# Altium PCB 一体机V1.PcbDoc (part 1 of 5)
Units mil, origin at the board's own origin, x right, y up, seen from the top; angles counter-clockwise.
Board outline 4013.53 x 6321.59 mil, 6 copper layers (Top Layer, GND, VCC, Mid-Layer 1, GND (Plane2), Bottom Layer); 349 components, 402 nets, 1592 pads, 708 vias.
Unrouted connection lines stored in the file: 4.
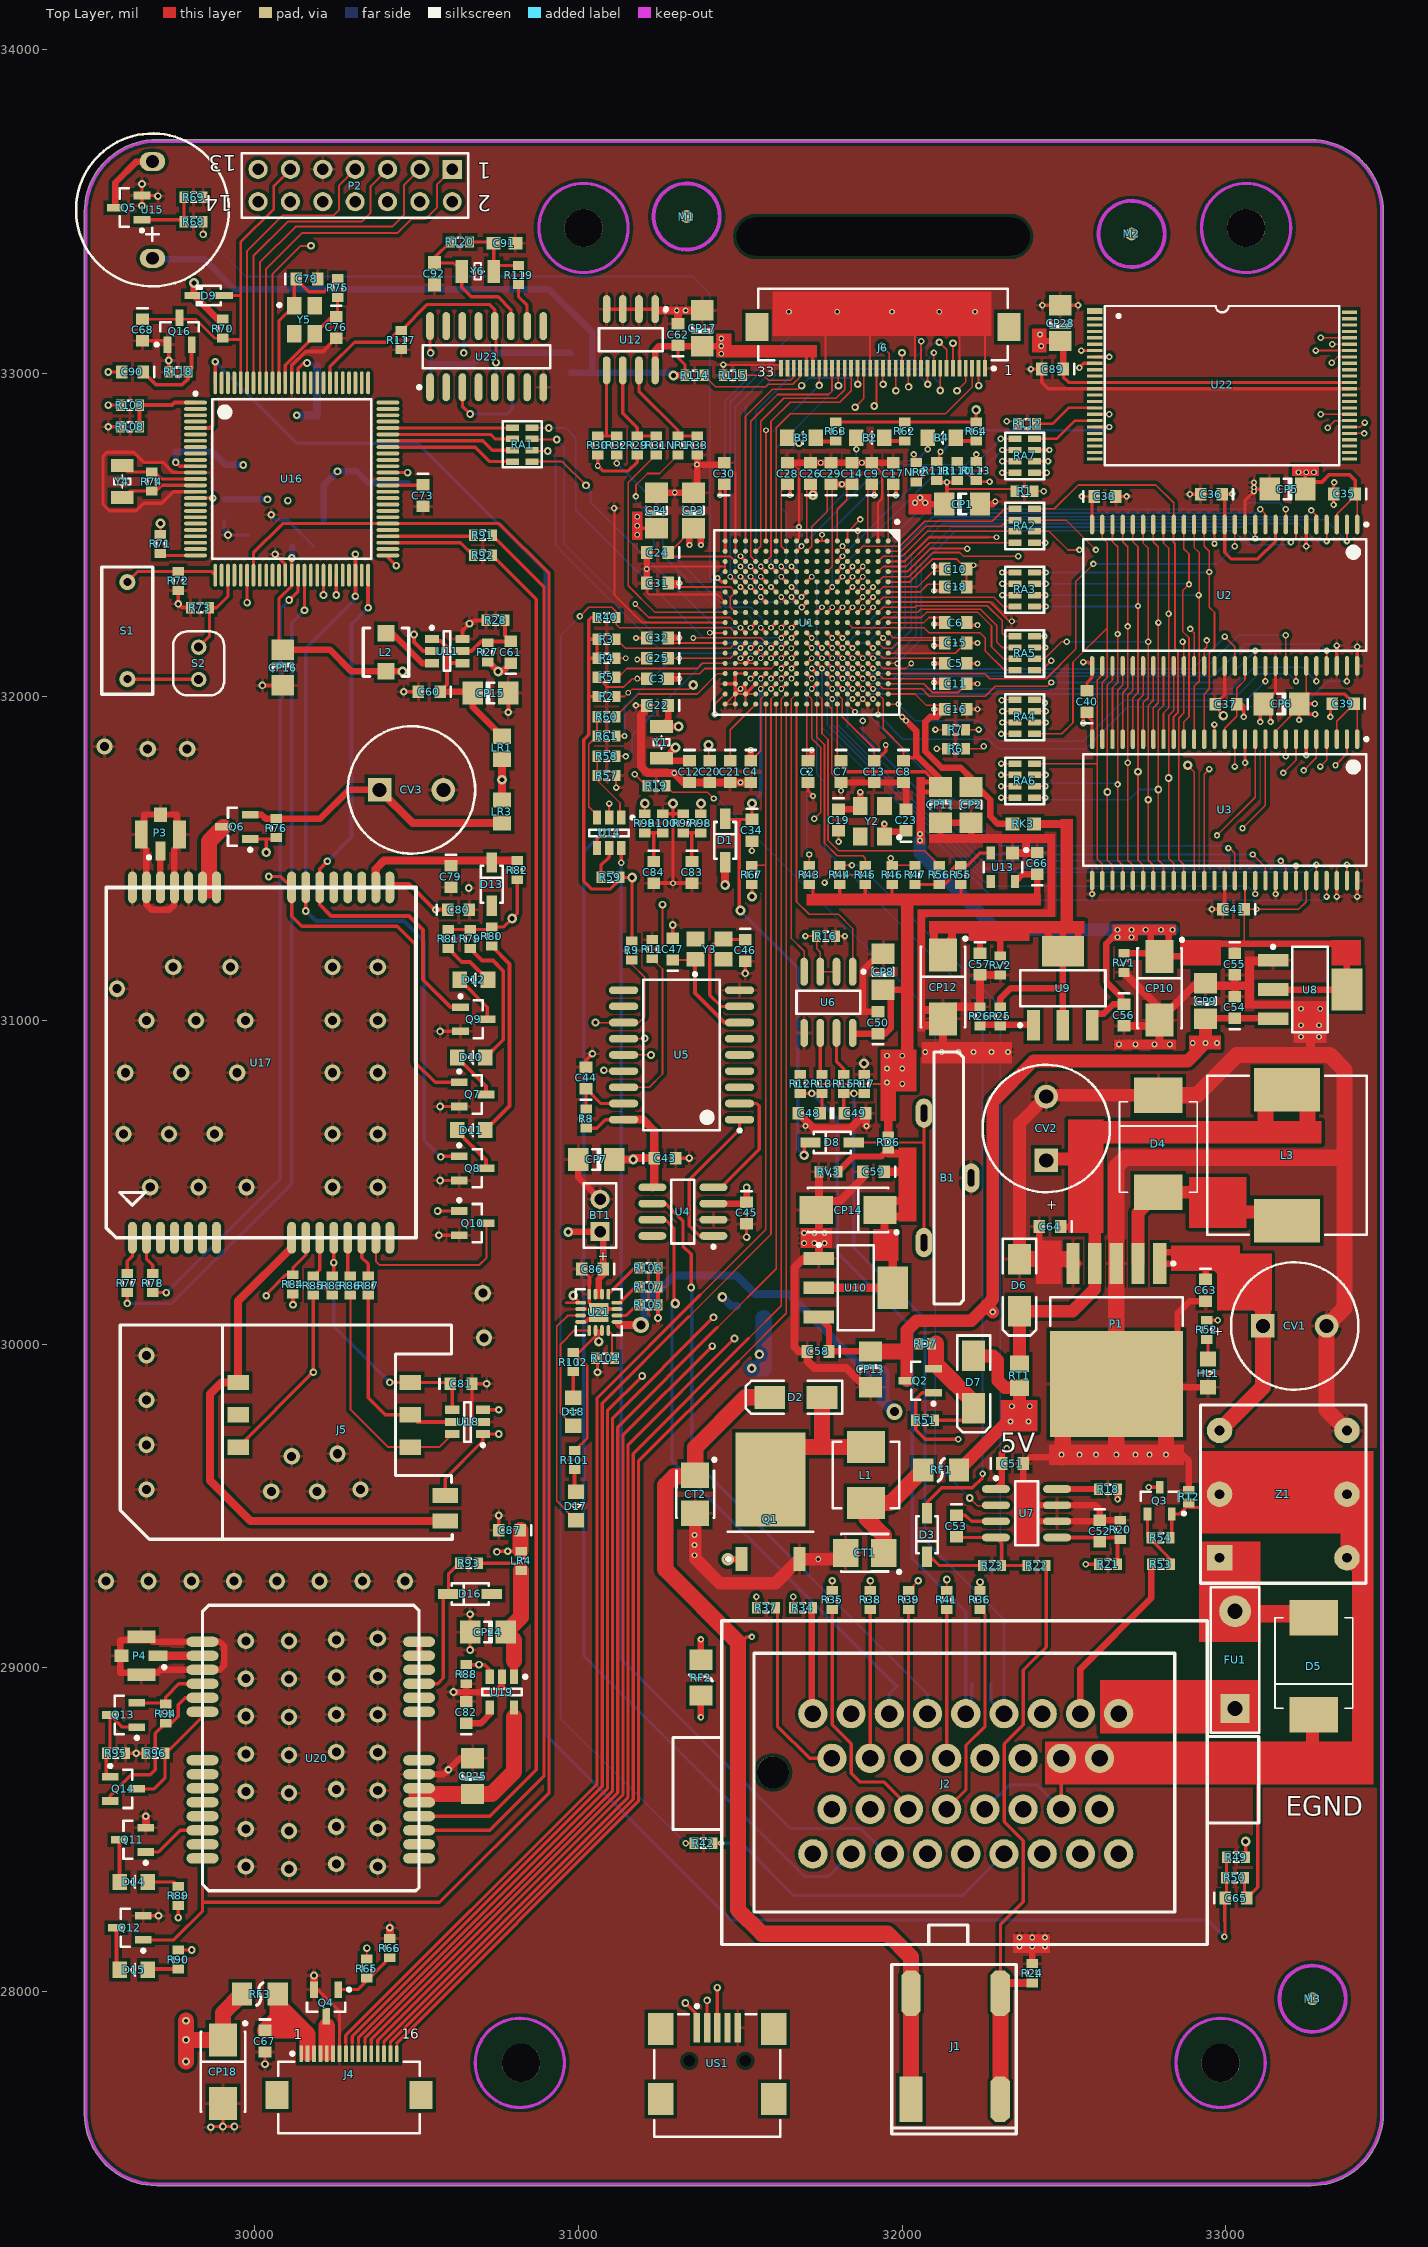
[diagram p0: Top Layer view]
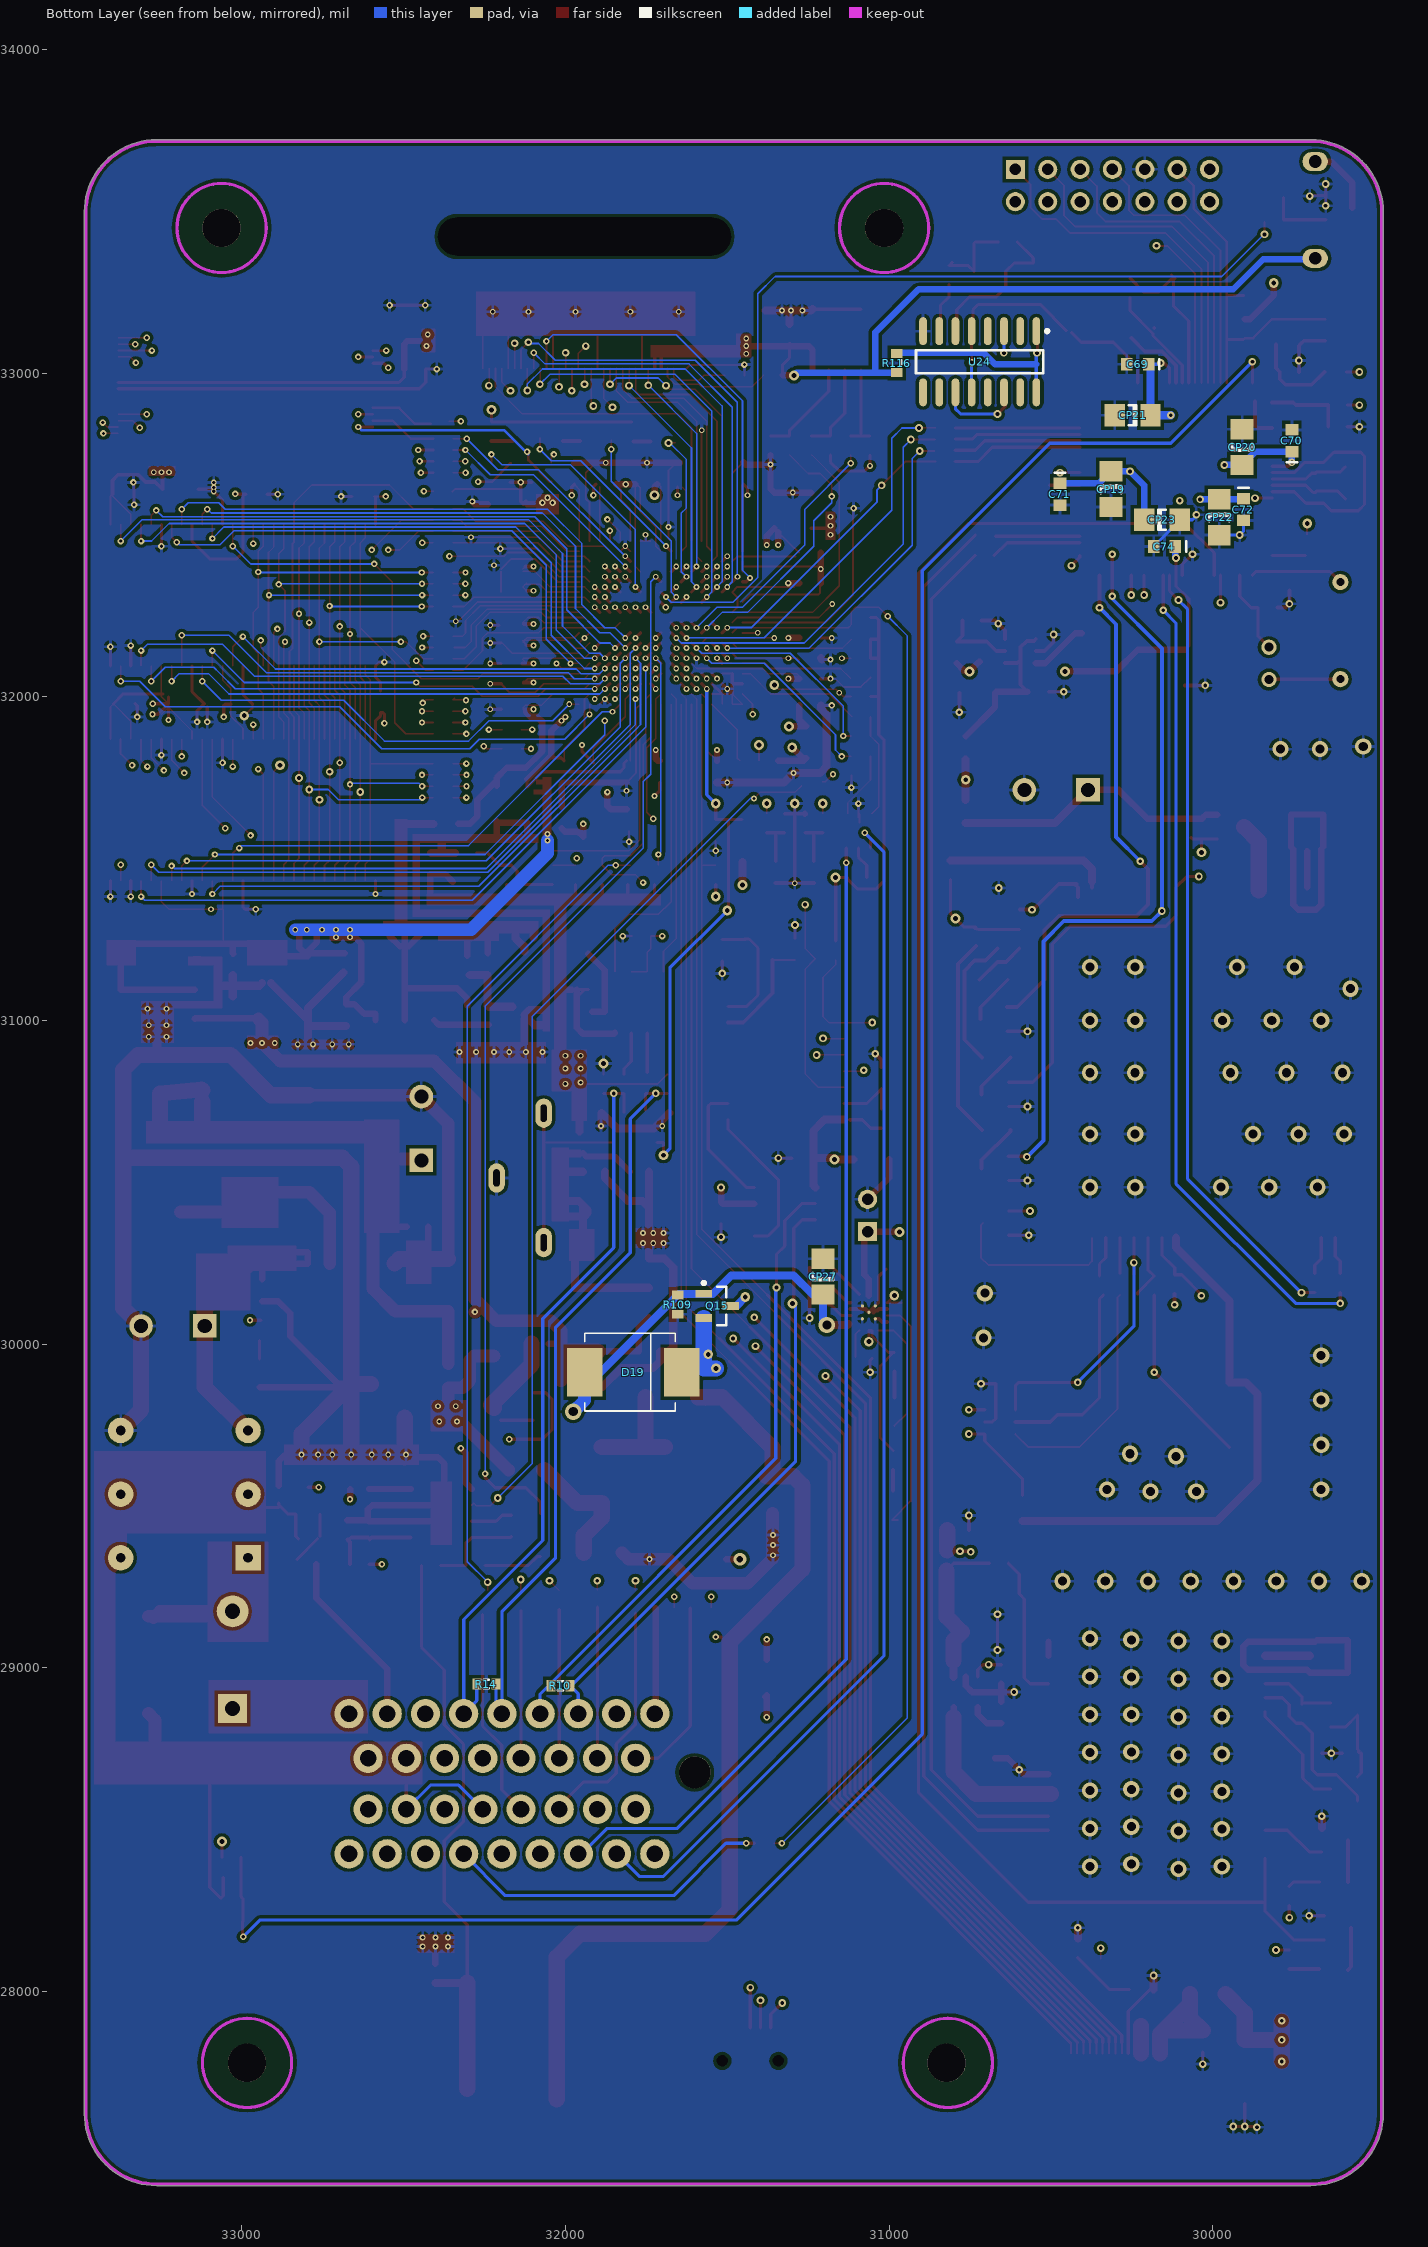
[diagram p1: Bottom Layer view, seen from below]
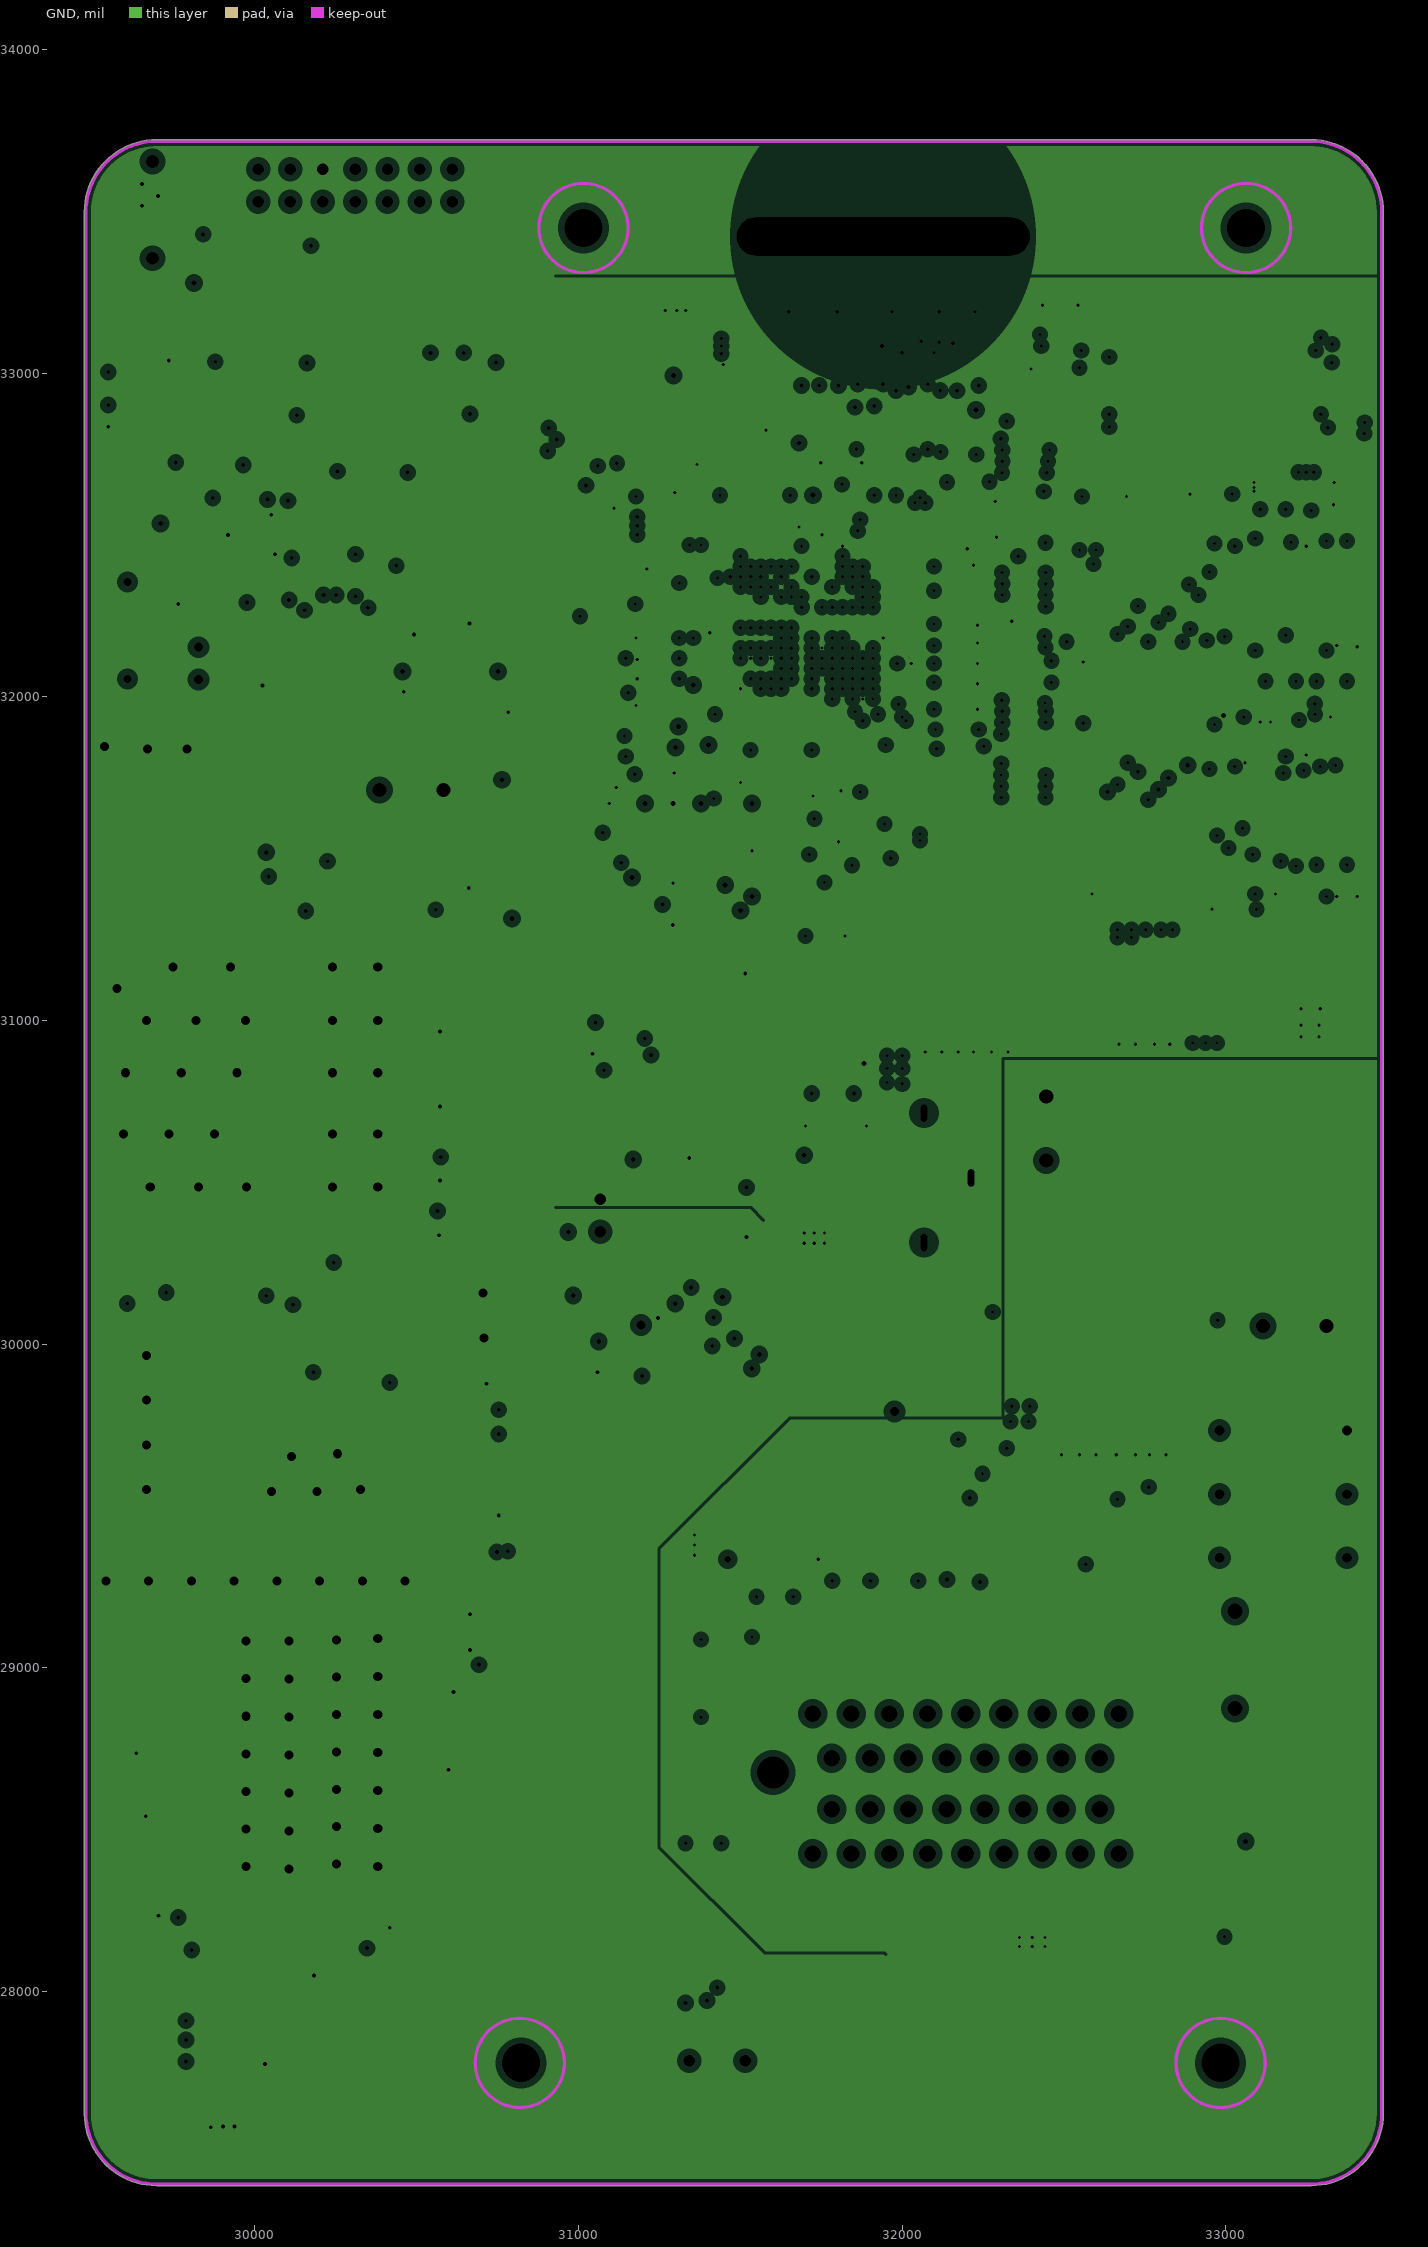
[diagram p2: GND, clearances drawn from the general rule]
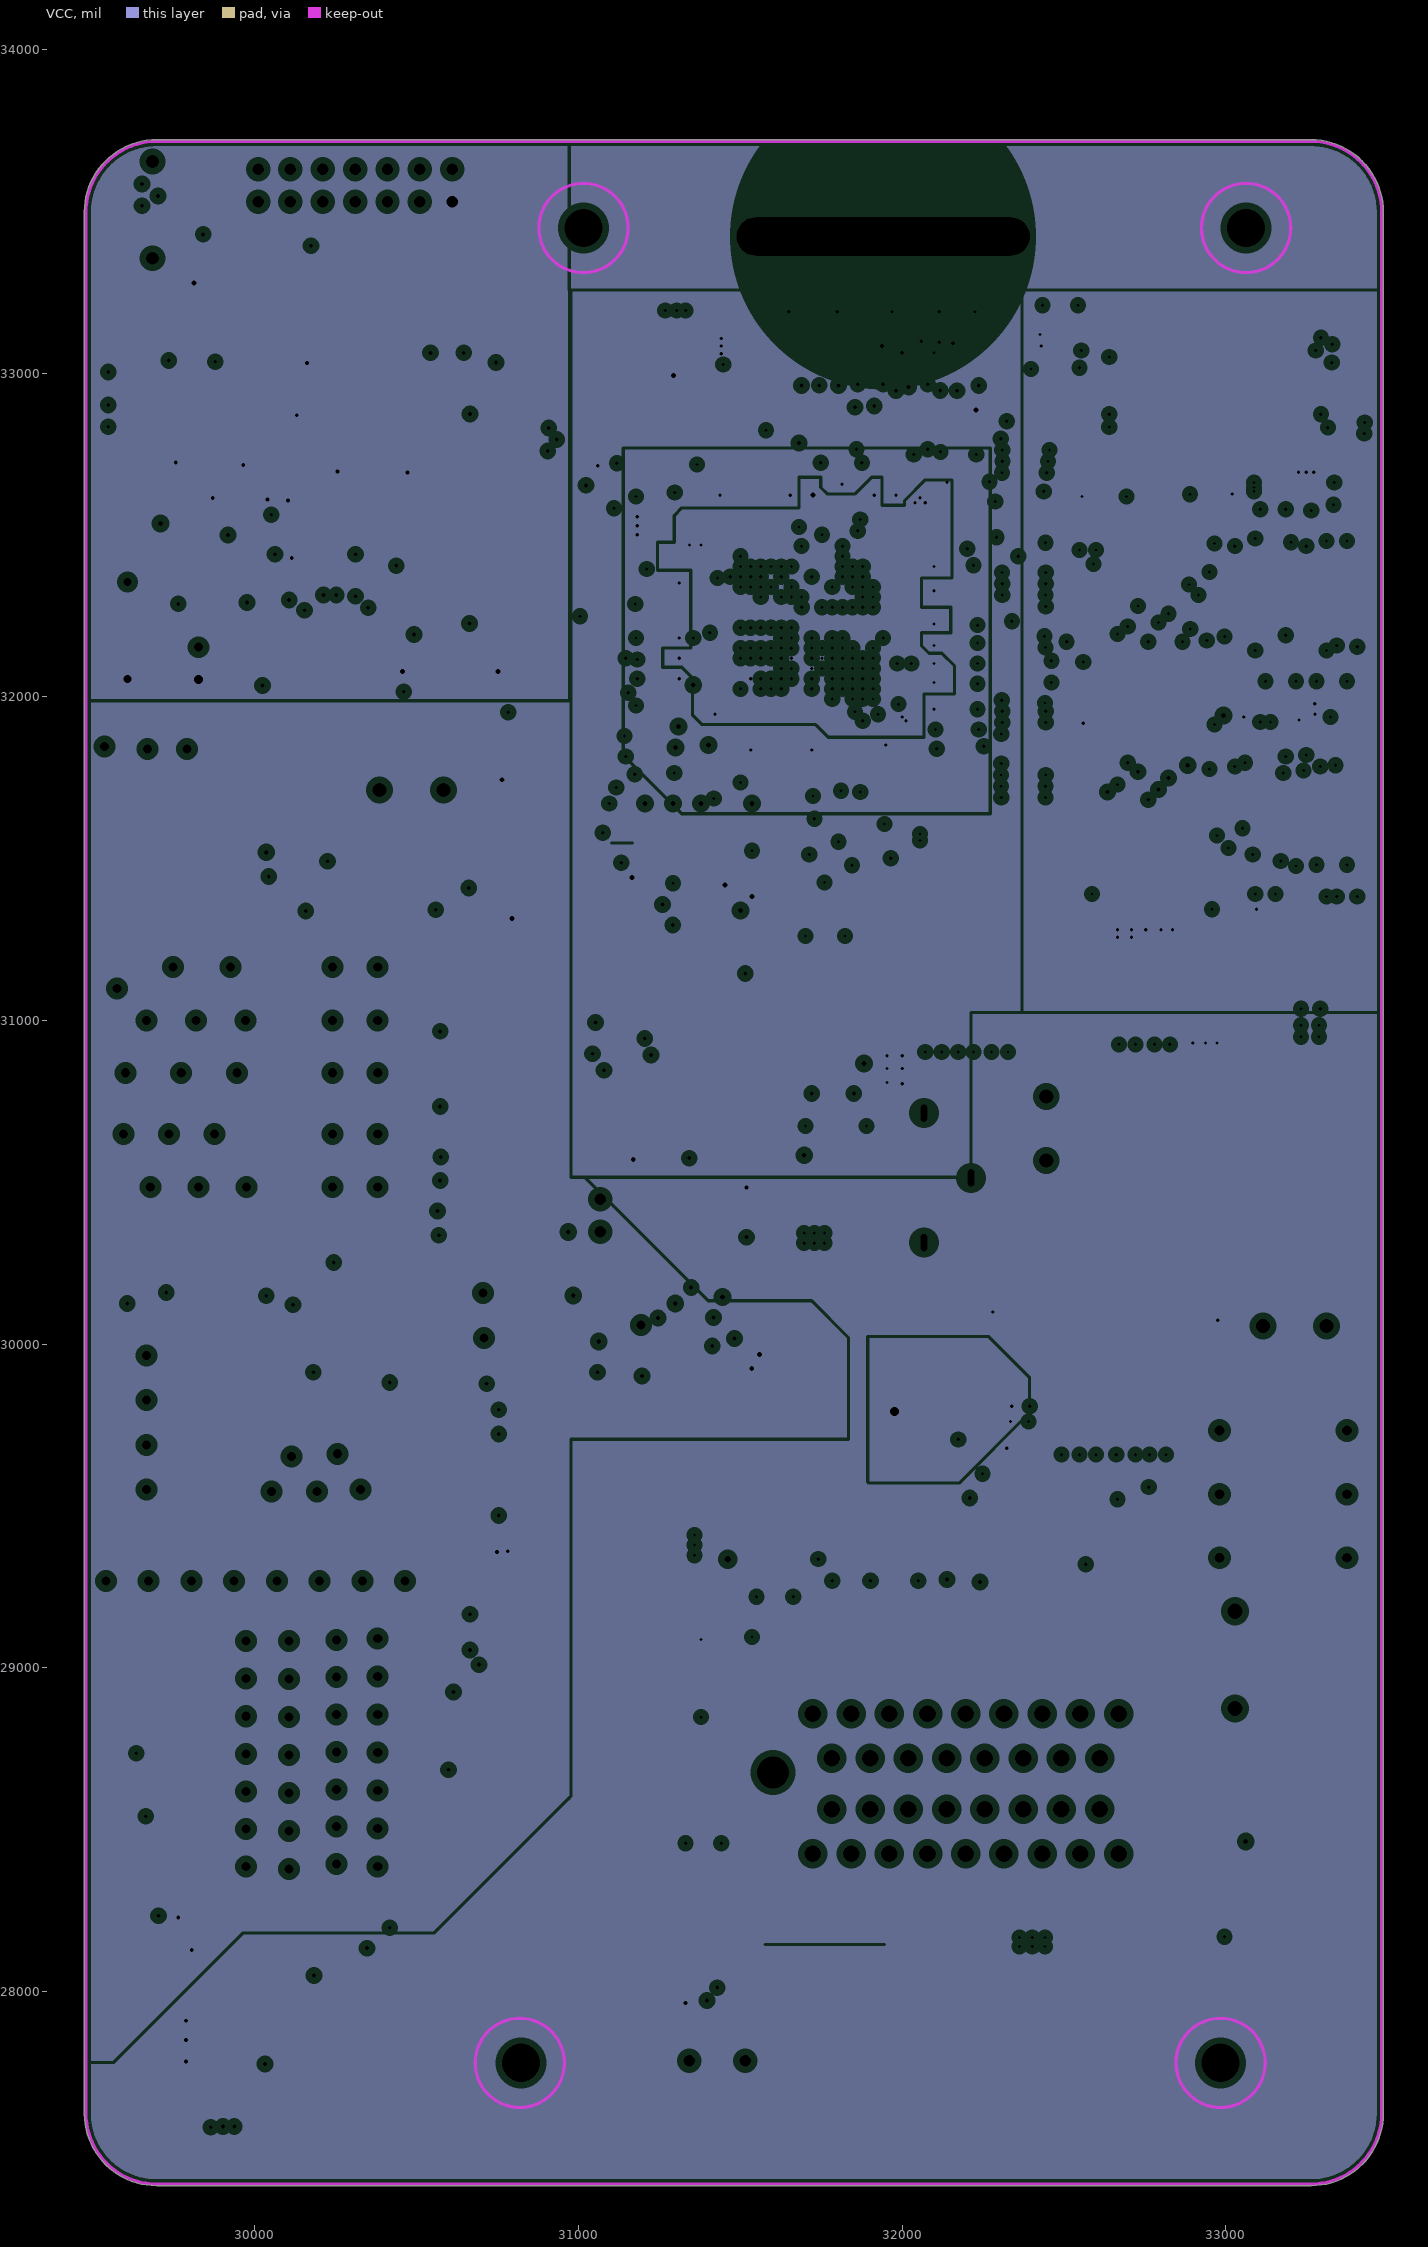
[diagram p3: VCC, clearances drawn from the general rule]